# Altium PCB DRS4-PCB.PcbDoc (part 7 of 15)
Units mil, origin at the board's own origin, x right, y up, seen from the top; angles counter-clockwise.
Board outline 12350 x 7411.06 mil, 12 copper layers (Top Layer, Ground Layer 2, Signal Layer 3, Signal Layer 4, Ground Layer 5, Power Layer 6, Ground Layer 7, Ground Layer 8, Power Layer 9, Power Layer 10, Ground Layer 11, Bottom Layer), stack 61.6 mil thick; 1411 components, 1117 nets, 4255 pads, 2550 vias.
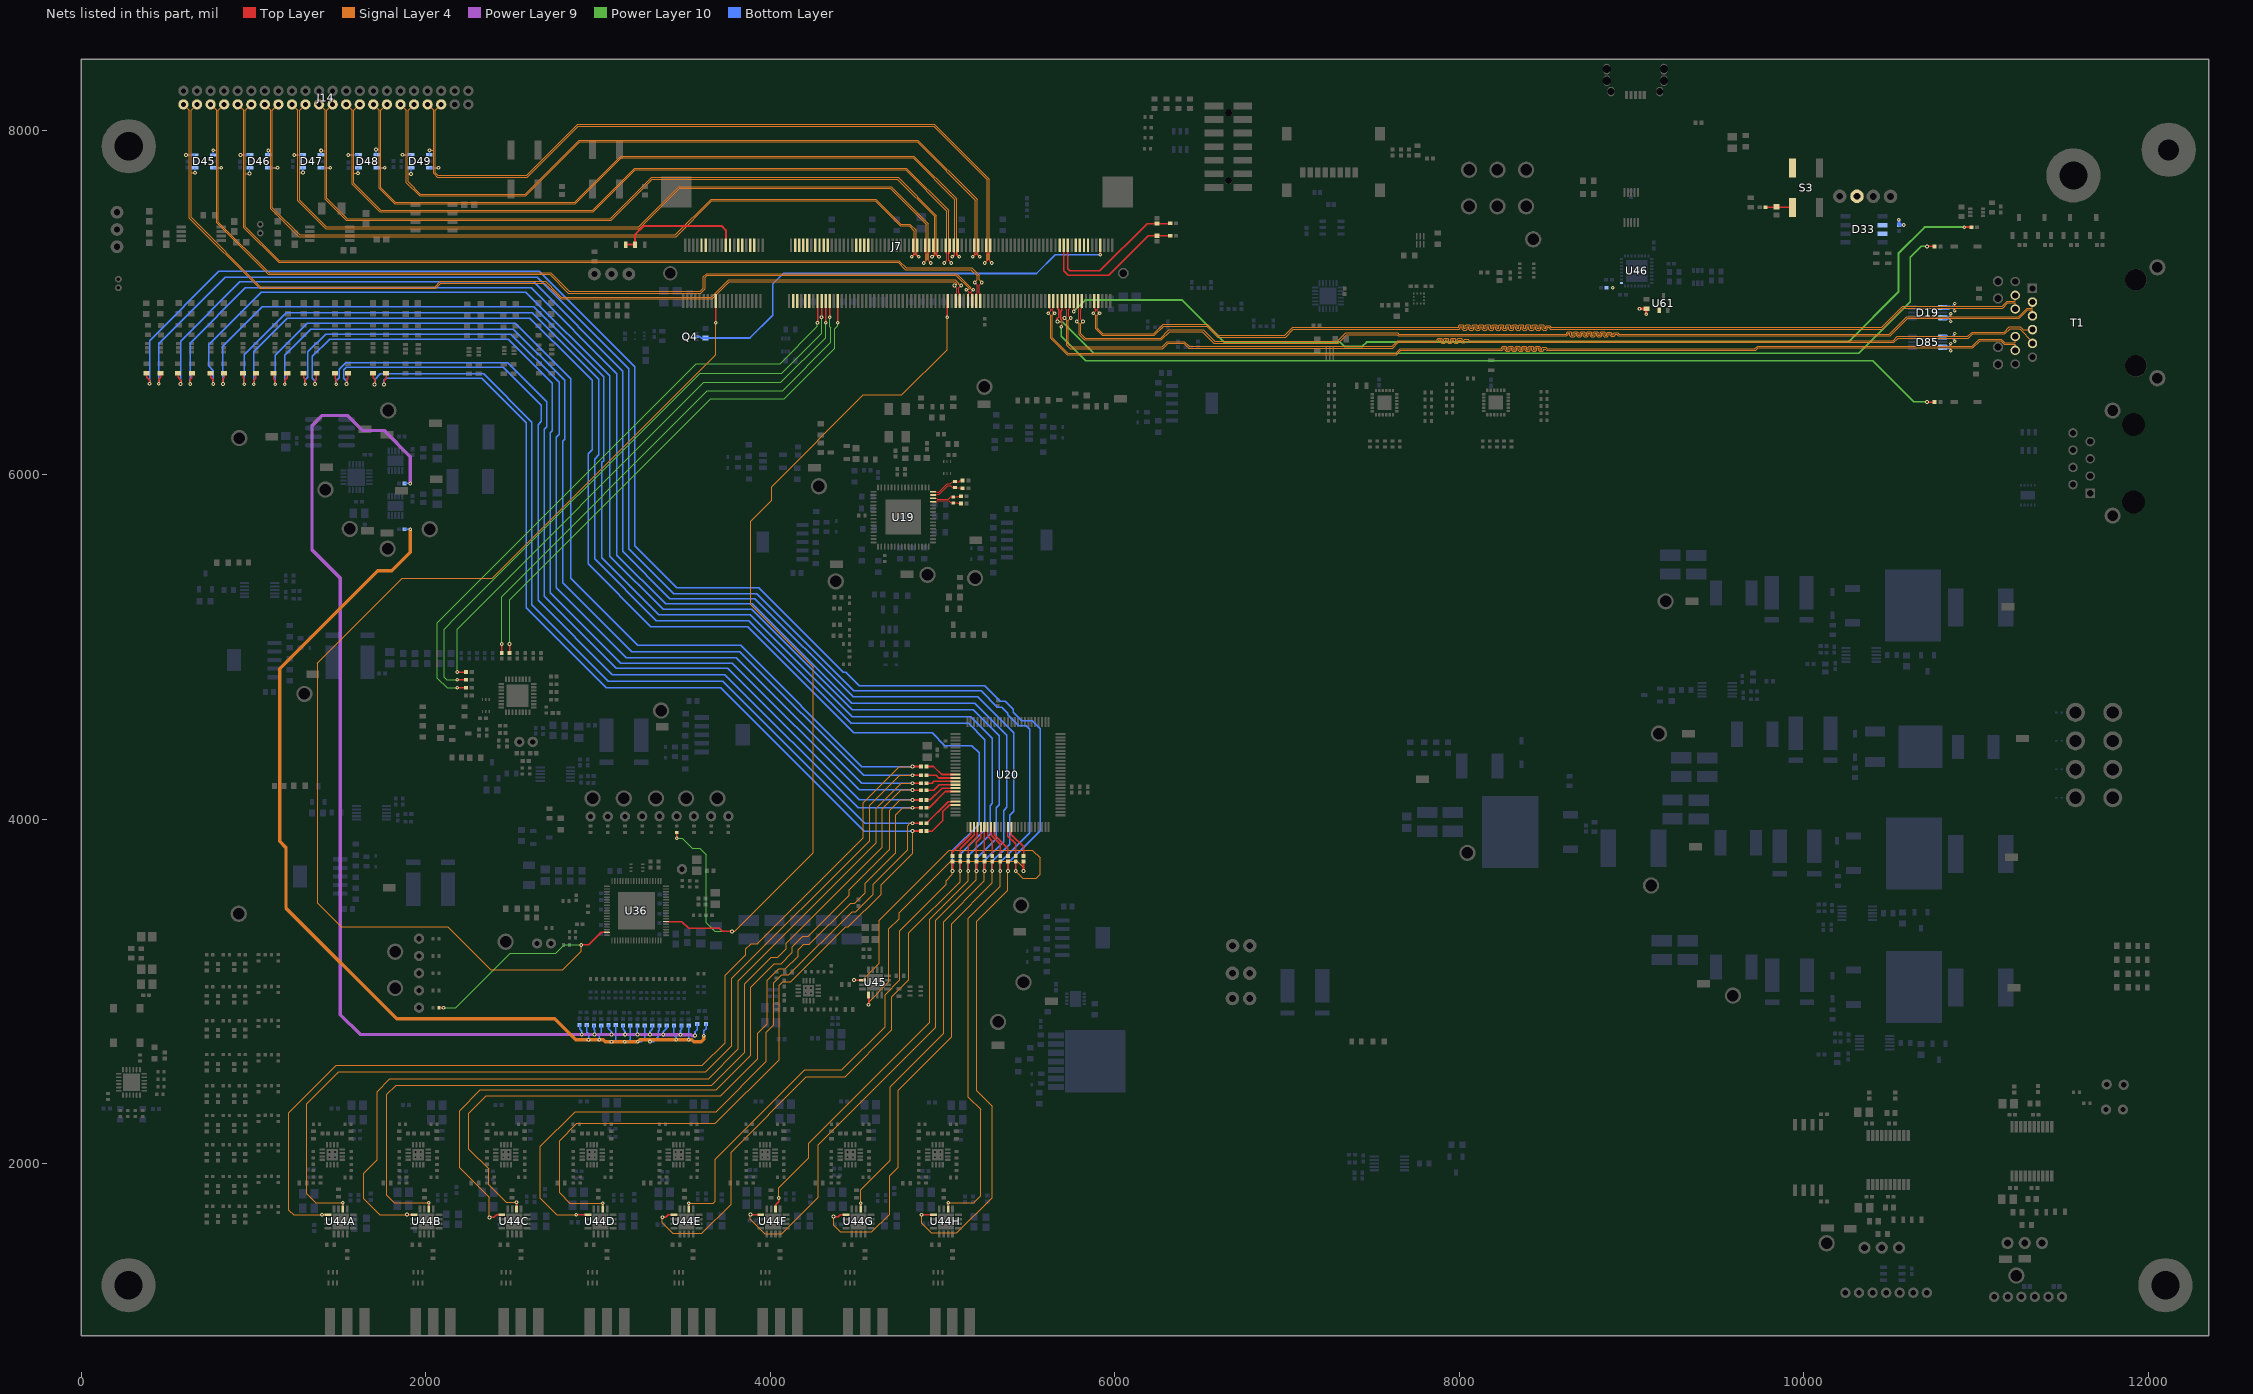
[diagram p17: the nets of this part, all layers, seen from the top]

## Via types
v1: diameter 21.65, hole 10, Top Layer to Bottom Layer, 2413 vias
v2: diameter 20, hole 10, Top Layer to Bottom Layer, 123 vias
v3: diameter 19, hole 8, Top Layer to Bottom Layer, 12 vias
v4: diameter 27.56, hole 10, Top Layer to Bottom Layer, 1 vias
v5: diameter 21.65, hole 10, Top Layer to Bottom Layer, tented top, 1 vias

## Nets (pads, with @x,y where several pads share a name; then routed paths per layer and width w, separated by ;. In a path a pad name is that pad's centre, name@x,y a point inside that pad or via, vN(x,y) a via of type N, cw(c..) or ccw(c..) an arc to the next point about the centre after c; other vN are vias at no path point) (continued)
DRS4_WSRIN: J7.17 R59.1 U36.75 | length 7694.2
  Top Layer w7.87: v1(2901.96,3269.75) 2945.33,3269.75 3018.38,3342.81 U36.75@3050.28,3342.81 ; v1@3682.82,6877.76 3682.82,6966.1 J7.17@3682.81,7008.12
  Top Layer w10: R59.1@2075.85,2906.08 v1(2102.84,2906.08)
  Signal Layer 4 w6.12: v1(2901.96,3269.75) 2901.96,3233.69 2793.24,3124.97 2377.02,3124.97 2126.74,3375.26 1507.75,3375.26 1369.07,3513.94 1369.07,4906.34 1862.27,5399.54 2386.33,5399.54 3683.07,6696.28 v1(3683.07,6881.89)
  Power Layer 10 w6.88: v1(2102.84,2906.08) 2174.13,2906.08 2488.9,3220.85 2755.32,3220.85 2804.23,3269.75 v1(2901.96,3269.75)
DRS4_WSROUT: J7.119 R60.1 U36.25 | length 5830.7
  Top Layer w7.87: U36.25@3394.77,3405.8 3486.79,3405.8 3526.75,3365.83 3704.03,3365.83 3721.66,3348.2 v1(3776.99,3348.2) ; v1@5027.39,6910.96 v1(5027.39,6913.39) 5027.39,7006.31 J7.119@5029.16,7008.12
  Top Layer w10: v1(3455.91,3889.33) R60.1@3455.91,3923.82
  Signal Layer 4 w6.12: v1(3776.99,3348.2) 3792.98,3348.2 4248.66,3803.87 4248.66,4882.86 3885.59,5245.93 3885.59,5730.12 4006.77,5851.29 4006.77,5930.52 4539.23,6462.99 4763.63,6462.99 5027.39,6726.74 v1(5027.39,6913.39)
  Power Layer 10 w6.88: v1@3465.98,3889.33 3488.95,3889.33 3545.79,3832.49 3589.54,3832.49 3627.24,3794.79 3627.24,3398.08 3677.12,3348.2 v1(3776.99,3348.2)
ETH_A_N: D85.5 J7.169 T1.11 | length 6225.8
  Top Layer w5: v1(5613.75,6937.67) 5626.88,6950.79 5626.88,6959.36 5620.14,6966.1 5619.67,6966.1 J7.169@5619.66,7008.12
  Signal Layer 4 w3.66: v1(5613.75,6937.67) 5626.99,6924.42 5626.99,6791.96 5722.71,6696.24 7635.04,6696.24 7660.04,6721.24 8238.83,6721.24 8247.56,6721.24 8255.43,6729.1 8255.43,6736.24 8265.09,6736.24 8265.09,6721.72 8270.8,6716 8288.55,6716 8294.27,6721.72 8294.27,6736.24 8303.93,6736.24 8303.93,6721.72 8309.65,6716 8327.39,6716 8333.11,6721.72 8333.11,6736.24 8342.77,6736.24 8342.77,6721.72 8348.49,6716 8366.24,6716 8371.95,6721.72 8371.95,6736.24 8381.62,6736.24 8381.62,6721.72 8387.33,6716 8405.08,6716 8410.8,6721.72 8410.8,6736.24 8420.46,6736.24 8420.46,6721.72 8426.18,6716 8443.92,6716 8449.64,6721.72 8449.64,6736.24 8459.3,6736.24 8459.3,6722.72 8465.02,6717 8482.77,6717 8488.48,6722.72 8488.48,6729.1 8498.15,6729.1 8506.01,6721.24 8520.39,6721.24 9720.07,6721.24 9735.01,6736.18 10850.22,6736.18 10852.36,6734.03 ; v3(10852.36,6720) 10852.36,6734.03 ; T1.11@11226.83,6722.35 11226.83,6755.29 11224.68,6757.43 11161.99,6757.43 11141.92,6777.5 11022.69,6777.5 10981.36,6736.18 10854.51,6736.18 10852.36,6734.03
  Bottom Layer w6.73: D85.5@10805.79,6730.33 10827.83,6730.33 10831.81,6734.3 10843.35,6734.3 10847.3,6730.36 10847.3,6728.39 10852.36,6723.32 v3(10852.36,6720)
ETH_A_P: D85.4 J7.171 T1.10 | length 6210.3
  Top Layer w5: J7.171@5643.28,7008.12 5643.29,6966.1 5636.88,6959.68 5636.88,6950.79 v1(5650,6937.67)
  Signal Layer 4 w3.66: v1(5650,6937.67) 5636.76,6924.42 5636.76,6796 5726.76,6706 7631,6706 7656,6731 8238.83,6731 8243.52,6731 8245.66,6733.14 8245.66,6740.28 8251.38,6746 8269.13,6746 8274.85,6740.28 8274.85,6725.76 8284.51,6725.76 8284.51,6740.28 8290.23,6746 8307.97,6746 8313.69,6740.28 8313.69,6725.76 8323.35,6725.76 8323.35,6740.28 8329.07,6746 8346.82,6746 8352.53,6740.28 8352.53,6725.76 8362.19,6725.76 8362.19,6740.28 8367.91,6746 8385.66,6746 8391.38,6740.28 8391.38,6725.76 8401.04,6725.76 8401.04,6740.28 8406.75,6746 8424.5,6746 8430.22,6740.28 8430.22,6725.76 8439.88,6725.76 8439.88,6740.28 8445.6,6746 8463.35,6746 8469.06,6740.28 8469.06,6726.76 8478.72,6726.76 8478.72,6733.15 8484.44,6738.86 8502.19,6738.86 8507.91,6733.15 8510.05,6731 8520.39,6731 9716.03,6731 9730.97,6745.94 10850.22,6745.94 10852.36,6748.08 ; v3(10852.36,6762.11) 10852.36,6748.08 ; T1.10@11226.83,6802.27 11226.83,6769.34 11224.68,6767.19 11166.04,6767.19 11145.97,6787.26 11018.64,6787.26 10977.32,6745.94 10854.51,6745.94 10852.36,6748.08
  Bottom Layer w6.73: D85.4@10805.79,6750.01 10827.83,6750.01 10831.81,6746.04 10842.46,6746.04 10847.3,6750.87 10847.3,6753.73 10852.36,6758.8 v3(10852.36,6762.11)
ETH_B_N: D85.2 J7.177 T1.5 | length 6226.2
  Top Layer w5: v1(5707.5,6909.45) 5719.53,6921.48 5719.53,6959.29 5714.15,6964.67 J7.177@5714.15,7008.1
  Signal Layer 4 w3.66: v1(5707.5,6909.45) 5720.74,6896.2 5720.74,6752.5 5741.14,6732.1 6277.91,6732.1 6308.8,6763 6400,6763 6428,6735 7612.85,6735 7645.85,6768 7864.28,6768 7873.01,6768 7880.87,6775.86 7880.87,6783 7890.53,6783 7890.53,6768.48 7896.25,6762.76 7914,6762.76 7919.72,6768.48 7919.72,6783 7929.38,6783 7929.38,6768.48 7935.09,6762.76 7952.84,6762.76 7958.56,6768.48 7958.56,6783 7968.22,6783 7968.22,6768.48 7973.94,6762.76 7991.68,6762.76 7997.4,6768.48 7997.4,6781.05 8007.06,6781.05 8007.06,6770.86 8012.78,6765.14 8030.53,6765.14 8036.24,6770.86 8036.24,6775.86 8045.91,6775.86 8053.77,6768 8068.13,6768 10522.4,6768 10547.02,6792.62 10873.84,6792.62 10875.98,6790.48 ; v3(10875.98,6775) 10875.98,6790.48 ; T1.5@11326.83,6762.11 11326.83,6773.17 11252,6848 11197,6848 11166.1,6817.1 10979.9,6817.1 10955.42,6792.62 10878.13,6792.62 10875.98,6790.48
  Bottom Layer w6.73: D85.2@10805.79,6789.38 10827.83,6789.38 10831.81,6793.36 10847.96,6793.36 10849.68,6791.63 10860.12,6791.63 10875.98,6775.77 v3(10875.98,6775)
ETH_B_P: D85.1 J7.179 T1.4 | length 6174.3
  Top Layer w5: J7.179@5737.76,7008.12 5737.77,6964.67 5732.4,6959.29 5732.4,6920.8 v1(5743.75,6909.45)
  Signal Layer 4 w3.66: v1(5743.75,6909.45) 5730.51,6896.2 5730.51,6756.54 5745.18,6741.86 6273.86,6741.86 6304.76,6772.76 6404.04,6772.76 6432.04,6744.76 7608.8,6744.76 7641.8,6777.76 7864.28,6777.76 7868.97,6777.76 7871.11,6779.91 7871.11,6787.04 7876.83,6792.76 7894.58,6792.76 7900.29,6787.04 7900.29,6772.52 7909.95,6772.52 7909.95,6787.04 7915.67,6792.76 7933.42,6792.76 7939.14,6787.04 7939.14,6772.52 7948.8,6772.52 7948.8,6787.04 7954.52,6792.76 7972.26,6792.76 7977.98,6787.04 7977.98,6772.52 7987.64,6772.52 7987.64,6785.1 7993.36,6790.81 8011.11,6790.81 8016.82,6785.1 8016.82,6774.9 8026.48,6774.9 8026.48,6779.91 8032.2,6785.62 8049.95,6785.62 8055.67,6779.91 8057.81,6777.76 8068.13,6777.76 10518.35,6777.76 10542.97,6802.38 10873.84,6802.38 10875.98,6804.52 ; v3(10875.98,6820) 10875.98,6804.52 ; T1.4@11326.83,6842.04 11326.69,6841.9 11271.9,6841.9 11256.04,6857.76 11192.96,6857.76 11162.06,6826.86 10975.86,6826.86 10951.38,6802.38 10878.13,6802.38 10875.98,6804.52
  Bottom Layer w6.73: D85.1@10805.79,6809.07 10827.83,6809.07 10831.81,6805.09 10852.82,6805.09 10854.54,6803.37 10860.12,6803.37 10875.98,6819.23 v3(10875.98,6820)
ETH_C_N: D19.5 J7.183 T1.3 | length 6228.6
  Top Layer w5: v1(5778.75,6889.76) 5790.8,6901.81 5790.8,6960.32 5785.01,6966.1 J7.183@5785,7008.12
  Signal Layer 4 w3.66: v1(5778.75,6889.76) 5791.99,6876.52 5791.99,6813.53 5823.33,6782.2 6269,6782.2 6317.8,6831 6508,6831 6574.9,6764.1 7295.9,6764.1 7344.9,6813.1 7637.85,6813.1 7644.8,6806.14 8615.76,6806.14 8624.49,6806.14 8632.35,6814 8632.35,6821.14 8642.01,6821.14 8642.01,6806.62 8647.73,6800.9 8665.48,6800.9 8671.19,6806.62 8671.19,6821.14 8680.85,6821.14 8680.85,6806.62 8686.57,6800.9 8704.32,6800.9 8710.04,6806.62 8710.04,6821.14 8719.7,6821.14 8719.7,6806.62 8725.42,6800.9 8743.16,6800.9 8748.88,6806.62 8748.88,6821.14 8758.54,6821.14 8758.54,6806.62 8764.26,6800.9 8782.01,6800.9 8787.72,6806.62 8787.72,6821.14 8797.38,6821.14 8797.38,6806.62 8803.1,6800.9 8820.85,6800.9 8826.57,6806.62 8826.57,6821.14 8836.23,6821.14 8836.23,6806.62 8841.94,6800.9 8859.69,6800.9 8865.41,6806.62 8865.41,6817.03 8875.07,6817.03 8875.07,6809 8880.79,6803.28 8898.54,6803.28 8904.25,6809 8904.25,6814 8913.91,6814 8921.78,6806.14 8942.29,6806.14 10500.44,6806.14 10601.92,6907.62 10850.22,6907.62 10852.36,6905.48 ; v3(10852.36,6890) 10852.36,6905.48 ; T1.3@11326.83,6921.96 11326.83,6954.89 11324.68,6957.04 11300.84,6957.04 11251.42,6907.62 10854.51,6907.62 10852.36,6905.48
  Bottom Layer w6.73: D19.5@10805.79,6901.77 10827.83,6901.77 10831.81,6905.75 10843.35,6905.75 10847.29,6901.8 10847.29,6898.39 10852.36,6893.32 v3(10852.36,6890)
ETH_C_P: D19.4 J7.185 T1.2 | length 6214.6
  Top Layer w5: J7.185@5808.62,7008.12 5808.63,6966.1 5801.82,6959.29 5801.82,6902.94 v1(5815,6889.76)
  Signal Layer 4 w3.66: v1(5815,6889.76) 5801.76,6876.52 5801.76,6817.57 5827.37,6791.96 6264.96,6791.96 6313.76,6840.76 6512.04,6840.76 6578.94,6773.86 7291.86,6773.86 7340.86,6822.86 7641.89,6822.86 7648.85,6815.9 8615.76,6815.9 8620.45,6815.9 8622.59,6818.05 8622.59,6825.18 8628.31,6830.9 8646.05,6830.9 8651.77,6825.18 8651.77,6810.66 8661.43,6810.66 8661.43,6825.18 8667.15,6830.9 8684.9,6830.9 8690.62,6825.18 8690.62,6810.66 8700.28,6810.66 8700.28,6825.18 8705.99,6830.9 8723.74,6830.9 8729.46,6825.18 8729.46,6810.66 8739.12,6810.66 8739.12,6825.18 8744.84,6830.9 8762.58,6830.9 8768.3,6825.18 8768.3,6810.66 8777.96,6810.66 8777.96,6825.18 8783.68,6830.9 8801.43,6830.9 8807.14,6825.18 8807.14,6810.66 8816.81,6810.66 8816.81,6825.18 8822.52,6830.9 8840.27,6830.9 8845.99,6825.18 8845.99,6810.66 8855.65,6810.66 8855.65,6821.08 8861.37,6826.79 8879.11,6826.79 8884.83,6821.08 8884.83,6813.04 8894.49,6813.04 8894.49,6818.05 8900.21,6823.77 8917.96,6823.77 8923.67,6818.05 8925.82,6815.9 8942.29,6815.9 10496.4,6815.9 10597.88,6917.38 10850.22,6917.38 10852.36,6919.52 ; v3(10852.36,6935) 10852.36,6919.52 ; T1.2@11326.83,7001.88 11326.83,6968.94 11324.68,6966.8 11296.8,6966.8 11247.38,6917.38 10854.51,6917.38 10852.36,6919.52
  Bottom Layer w6.73: D19.4@10805.79,6921.46 10827.83,6921.46 10831.81,6917.48 10842.46,6917.48 10850.01,6925.03 10850.01,6932.65 v3(10852.36,6935)
ETH_CTREF: J7.181 R75.2 | length 5827.2
  Top Layer w7.87: v1(5761.38,6947.87) J7.181@5761.38,7008.12
  Top Layer w11.81: v1(10930.43,7437.24) R75.2@10971.77,7437.24
  Power Layer 10 w11.81: v1(5761.38,6947.87) 5827.08,7013.57 6390.36,7013.57 6634.5,6769.44 7307.48,6769.44 7331.83,6745.09 7436.91,6745.09 7461.26,6769.44 10257.07,6769.44 10548.97,7061.34 10548.97,7285.76 10700.46,7437.24 v1(10930.43,7437.24)
ETH_D_N: D19.2 J7.191 T1.9 | length 6239.2
  Top Layer w5: v1(5875,6937.55) 5888.12,6950.67 5888.12,6957.47 5879.49,6966.1 J7.191@5879.48,7008.12
  Signal Layer 4 w3.66: v1(5875,6937.55) 5888.24,6924.3 5888.24,6846.95 5926.76,6808.44 6229.56,6808.44 6283.36,6862.24 6533.3,6862.24 6596.86,6798.68 6990.48,6798.68 7036.8,6845 7989.18,6845 7997.91,6845 8005.77,6852.86 8005.77,6860 8015.43,6860 8015.43,6845.48 8021.15,6839.76 8038.9,6839.76 8044.61,6845.48 8044.61,6860 8054.27,6860 8054.27,6845.48 8059.99,6839.76 8077.74,6839.76 8083.46,6845.48 8083.46,6860 8093.12,6860 8093.12,6845.48 8098.84,6839.76 8116.58,6839.76 8122.3,6845.48 8122.3,6860 8131.96,6860 8131.96,6845.48 8137.68,6839.76 8155.43,6839.76 8161.14,6845.48 8161.14,6860 8170.8,6860 8170.8,6845.48 8176.52,6839.76 8194.27,6839.76 8199.99,6845.48 8199.99,6860 8209.65,6860 8209.65,6845.48 8215.37,6839.76 8233.11,6839.76 8238.83,6845.48 8238.83,6860 8248.49,6860 8248.49,6845.48 8254.21,6839.76 8271.96,6839.76 8277.67,6845.48 8277.67,6860 8287.33,6860 8287.33,6845.48 8293.05,6839.76 8310.8,6839.76 8316.52,6845.48 8316.52,6860 8326.18,6860 8326.18,6845.48 8331.9,6839.76 8349.64,6839.76 8355.36,6845.48 8355.36,6860 8365.02,6860 8365.02,6845.48 8370.74,6839.76 8388.49,6839.76 8394.2,6845.48 8394.2,6860 8403.86,6860 8403.86,6845.48 8409.58,6839.76 8427.33,6839.76 8433.05,6845.48 8433.05,6860 8442.71,6860 8442.71,6845.48 8448.42,6839.76 8466.17,6839.76 8471.89,6845.48 8471.89,6860 8481.55,6860 8481.55,6845.48 8487.27,6839.76 8505.01,6839.76 8510.73,6845.48 8510.73,6854.64 8520.39,6854.64 8520.39,6852.86 8528.26,6845 8548,6845 10455.22,6845 10577.72,6967.5 10873.84,6967.5 10875.98,6965.36 ; v3(10875.98,6950.83) 10875.98,6965.36 ; T1.9@11226.83,6961.72 11226.83,6994.66 11224.68,6996.8 11184.66,6996.8 11155.36,6967.5 10878.13,6967.5 10875.98,6965.36
  Bottom Layer w6.73: D19.2@10805.79,6960.83 10843.31,6960.83 10849,6966.52 10860.3,6966.52 v3(10875.98,6950.83)
ETH_D_P: D19.1 J7.193 T1.8 | length 6220.1
  Top Layer w5: J7.193@5903.1,7008.12 5903.11,6966.1 5898.12,6961.11 5898.12,6950.67 v1(5911.25,6937.55)
  Signal Layer 4 w3.66: v1(5911.25,6937.55) 5898.01,6924.3 5898.01,6850.99 5930.8,6818.2 6225.51,6818.2 6279.32,6872 6537.34,6872 6600.91,6808.44 6986.44,6808.44 7032.76,6854.76 7989.18,6854.76 7993.87,6854.76 7996.01,6856.91 7996.01,6864.04 8001.73,6869.76 8019.47,6869.76 8025.19,6864.04 8025.19,6849.52 8034.85,6849.52 8034.85,6864.04 8040.57,6869.76 8058.32,6869.76 8064.04,6864.04 8064.04,6849.52 8073.7,6849.52 8073.7,6864.04 8079.41,6869.76 8097.16,6869.76 8102.88,6864.04 8102.88,6849.52 8112.54,6849.52 8112.54,6864.04 8118.26,6869.76 8136,6869.76 8141.72,6864.04 8141.72,6849.52 8151.38,6849.52 8151.38,6864.04 8157.1,6869.76 8174.85,6869.76 8180.57,6864.04 8180.57,6849.52 8190.23,6849.52 8190.23,6864.04 8195.94,6869.76 8213.69,6869.76 8219.41,6864.04 8219.41,6849.52 8229.07,6849.52 8229.07,6864.04 8234.79,6869.76 8252.53,6869.76 8258.25,6864.04 8258.25,6849.52 8267.91,6849.52 8267.91,6864.04 8273.63,6869.76 8291.38,6869.76 8297.09,6864.04 8297.09,6849.52 8306.76,6849.52 8306.76,6864.04 8312.47,6869.76 8330.22,6869.76 8335.94,6864.04 8335.94,6849.52 8345.6,6849.52 8345.6,6864.04 8351.32,6869.76 8369.06,6869.76 8374.78,6864.04 8374.78,6849.52 8384.44,6849.52 8384.44,6864.04 8390.16,6869.76 8407.91,6869.76 8413.62,6864.04 8413.62,6849.52 8423.29,6849.52 8423.29,6864.04 8429,6869.76 8446.75,6869.76 8452.47,6864.04 8452.47,6849.52 8462.13,6849.52 8462.13,6864.04 8467.85,6869.76 8485.59,6869.76 8491.31,6864.04 8491.31,6849.52 8500.97,6849.52 8500.97,6858.68 8506.69,6864.4 8524.44,6864.4 8530.15,6858.68 8530.15,6856.91 8532.3,6854.76 8548,6854.76 10451.18,6854.76 10573.68,6977.26 10873.84,6977.26 10875.98,6979.41 ; v3(10875.98,6993.93) 10875.98,6979.41 ; T1.8@11226.83,7041.64 11226.83,7008.71 11224.68,7006.56 11180.62,7006.56 11151.32,6977.26 10878.13,6977.26 10875.98,6979.41
  Bottom Layer w6.73: D19.1@10805.79,6980.51 10846.74,6980.51 10849,6978.25 10860.3,6978.25 v3(10875.98,6993.93)
ETH_LED1#: J7.173 R76.2 | length 5700.5
  Top Layer w7.87: v1(5666.75,6889.17) 5666.73,6909.31 5672.76,6915.34 5672.76,6956.65 5666.91,6962.49 J7.173@5666.9,7008.12 ; v1@10714.25,7325.06 R76.2@10760.43,7325.06
  Power Layer 10 w7.87: v1(5666.75,6889.17) 5694.35,6889.17 5724.31,6859.21 5877.51,6706.01 6510.01,6706.01 10319.53,6706.01 10618.33,7004.81 10618.33,7262.13 10681.03,7324.83 v1(10714.25,7324.92)
ETH_LED2#: J7.175 R77.2 | length 5438.2
  Top Layer w7.87: v1(5688.28,6859.58) 5686.32,6861.54 5690.26,6865.49 5690.26,6897.2 5686.32,6901.15 5686.32,6950.08 5690.53,6954.3 J7.175@5690.52,7008.12 ; v1@10714.25,6421.53 R77.2@10758.66,6421.53
  Power Layer 10 w7.87: v1(5688.28,6859.58) 5688.28,6804.23 5831.98,6660.53 10400.1,6660.53 10638.04,6422.59 v1(10714.25,6422.59)
FLASH_CLK: J7.182
FLASH_CS#: J7.188
FLASH_DI: J7.186
FLASH_DO: J7.184
FPGA_DONE: J7.194 Q4.2 R34.2 | length 2706.1
  Top Layer w10: v1(5914.96,7277.15) 5914.93,7277.19 J7.194@5914.91,7331.12
  Bottom Layer w10: Q4.2@3573.23,6801.93 3590.54,6801.93 3599.22,6793.25 R34.2@3622.79,6793.25 3881.15,6793.25 4013,6925.09 4013,7106.71 4074.49,7168.2 5544.78,7168.2 5653.72,7277.15 v1(5914.96,7277.15)
FTDI_1V8: C65.2 C249.2 U46.1 U61.1 | length 73.7
  Top Layer w15.75: v1@9043.11,6963.25 v1(9045.75,6963.25) 9084.62,6963.25 C65.2@9085.16,6962.72 v1(9085.16,6931.41) ; U61.1@9159.14,6955.11 U61.1@9159.22,6955.19
  other v1: 8890.53,7085.83
FTDI_\R\E\S\E\T\: C253.1 R194.2 S3.1 S3.2 | length 157.4
  Top Layer w8: R194.2@9777.13,7553.18 9931.34,7553.18 S3.2@9933.6,7550.93
FTDI_EXT_1V8: C252.2 D33.2 D33.3 J20.1 | length 58.5
  Bottom Layer w15.75: v1(10550.67,7479.77) 10551.56,7478.87 C252.2@10551.56,7449.23 v1(10579.17,7449.23)
GPIO0_N: D45.4 J7.125 J14.3 | length 5568.7
  Top Layer w5: J7.125@5100.02,7008.12 5100.03,7050.1 5093.23,7056.91 5093.23,7083.93 v1(5107.72,7098.43)
  Signal Layer 4 w3.66: v1(659.82,7752.52) 636.93,7752.52 ; J14.3@671.3,8149.61 636.93,8115.24 636.93,7752.52 ; v1(5107.72,7098.43) 5104.34,7101.8 5095.54,7101.8 5093.07,7104.27 5093.07,7111.72 5073.48,7131.32 3758.32,7131.32 3657,7030 2787.14,7030 2760.07,7057.07 2695.14,7122 2083,7122 2053,7092 1038.93,7092 636.93,7494 636.93,7752.52
  Bottom Layer w6.73: D45.4@659.51,7781.46 659.82,7781.15 v1(659.82,7752.52)
GPIO0_P: D45.6 J7.123 J14.1 | length 5587.8
  Top Layer w5: v1(5068.43,7098.43) 5083.23,7083.63 5083.23,7056.91 5076.42,7050.1 J7.123@5076.4,7008.12
  Signal Layer 4 w3.66: J14.1@592.56,8149.61 626.93,8115.24 626.93,7856.54 ; v1(607.83,7856.26) 608.11,7856.54 626.93,7856.54 ; v1(5068.43,7098.43) 5071.81,7101.8 5080.61,7101.8 5083.07,7104.27 5083.07,7107.58 5069.34,7121.32 3762.46,7121.32 3661.14,7020 2783,7020 2756.54,7046.46 2691,7112 2087.14,7112 2057.14,7082 1034.78,7082 626.93,7489.86 626.93,7856.54
  Bottom Layer w6.73: v1(607.83,7856.26) D45.6@659.51,7856.26
GPIO1_N: D45.3 J7.131 J14.7 | length 5511
  Top Layer w5: J7.131@5170.88,7008.12 5170.89,7050.1 5164.09,7056.91 5164.09,7060.26 5177.65,7073.82 v1(5178.15,7073.82)
  Signal Layer 4 w3.66: v1(811.9,7781.46) 811.82,7781.38 794.29,7781.38 ; J14.7@828.78,8149.61 794.29,8115.12 794.29,7813.18 794.29,7781.38 ; v1(5178.15,7073.82) 5175.55,7076.42 5165,7076.42 5162.85,7078.57 5162.85,7085.64 5080.48,7168.01 3629.97,7168.01 3611,7149.04 3611,7083 3592,7064 2831.8,7064 2723.8,7172 1089.29,7172 794.29,7467 794.29,7781.38
  Bottom Layer w6.73: D45.3@765.81,7781.46 v1(811.9,7781.46)
GPIO1_P: D45.1 J7.129 J14.5 | length 5496
  Top Layer w5: v1(5137.8,7073.82) 5140.53,7073.82 5154.09,7060.26 5154.09,7056.91 5147.28,7050.1 J7.129@5147.26,7008.12
  Signal Layer 4 w3.66: J14.5@750.04,8149.61 784.53,8115.12 784.53,7883.74 ; v1(765.6,7883.74) 784.53,7883.74 ; v1(5137.8,7073.82) 5140.4,7076.42 5150.95,7076.42 5153.09,7078.57 5153.09,7081.6 5076.44,7158.25 3634.01,7158.25 3620.76,7145 3620.76,7078.96 3596.04,7054.24 2827.76,7054.24 2719.76,7162.24 1085.24,7162.24 784.53,7462.96 784.53,7809.14 784.53,7883.74
  Bottom Layer w6.73: v1(765.6,7883.74) 765.6,7856.47 D45.1@765.81,7856.26
GPIO2_N: D46.4 J7.135 J14.11 | length 5319.3
  Top Layer w5: J7.135@5218.12,7008.12 5218.15,7050.1 5211.34,7056.91 5211.34,7101.1 v1(5226.38,7116.14)
  Signal Layer 4 w3.66: 952.02,7748.17 v1@970.84,7748.17 ; J14.11@986.26,8149.61 951.89,8115.24 951.89,7920.65 951.89,7438.83 1148.67,7242.05 4746.3,7242.05 4787.46,7200.88 5168.57,7200.88 5171.5,7197.95 5211.2,7158.25 5211.2,7131.32 v1(5226.38,7116.14)
  Bottom Layer w6.73: v1(976.15,7748.03) 976.15,7779.56 D46.4@978.21,7781.61
GPIO2_P: D46.6 J7.133 J14.9 | length 5339.9
  Top Layer w5: v1(5186.02,7116.14) 5201.34,7100.83 5201.34,7056.91 5194.53,7050.1 J7.133@5194.5,7008.12
  Signal Layer 4 w3.66: J14.9@907.52,8149.61 941.89,8115.24 941.89,7916.5 941.89,7434.69 1144.53,7232.05 4742.16,7232.05 4780.39,7193.81 4783.32,7190.88 5164.43,7190.88 5201.2,7154.11 5201.2,7131.32 v1(5186.02,7116.14) ; v1@922.93,7856.12 941.75,7856.12
  Bottom Layer w6.73: v1(923.27,7856.54) v1(923.27,7856.54) 978.14,7856.47 D46.6@978.21,7856.41
GPIO3_N: D46.3 J7.104 J14.15 | length 4894.8
  Top Layer w5: J7.104@4852.01,7331.12 4852.03,7289.1 4845.22,7282.29 4845.22,7277.39 4856.85,7265.75 v1(4860.54,7265.75)
  Signal Layer 4 w3.66: 1109.5,7781.75 v1@1138.01,7781.75 ; J14.15@1143.74,8149.61 1109.37,8115.24 1109.37,7933.89 1109.37,7717.95 1109.37,7713.81 1109.37,7708.18 1109.37,7549.25 1266.73,7391.88 3448.79,7391.88 3656.76,7599.86 4611.7,7599.86 4757.48,7454.08 4809.79,7454.08 4845.36,7418.51 4845.36,7280.93 v1(4860.54,7265.75)
  Bottom Layer w6.73: D46.3@1084.5,7781.61 v1(1138.01,7781.61)
GPIO3_P: D46.1 J7.102 J14.13 | length 4852.7
  Top Layer w5: v1(4820.19,7265.75) 4823.58,7265.75 4835.22,7277.39 4835.22,7282.29 4828.41,7289.1 J7.102@4828.39,7331.12
  Signal Layer 4 w3.66: J14.13@1065,8149.61 1099.37,8115.24 1099.37,7929.75 1099.37,7881.76 ; v1(1084.5,7881.76) 1099.37,7881.76 ; v1(4820.19,7265.75) 4835.36,7280.93 4835.36,7414.37 4805.65,7444.08 4753.34,7444.08 4607.56,7589.86 3660.9,7589.86 3452.93,7381.88 1262.59,7381.88 1102.3,7542.18 1099.37,7545.11 1099.37,7704.04 1099.37,7709.67 1099.37,7713.81 1099.37,7881.76
  Bottom Layer w6.73: D46.1@1084.5,7856.41 v1(1084.5,7881.76)
GPIO4_N: D47.4 J7.110 J14.19 | length 4861.5
  Top Layer w5: J7.110@4922.87,7331.12 4922.89,7289.1 4916.08,7282.29 4916.08,7244.56 v1(4931.11,7229.53)
  Signal Layer 4 w3.66: 1266.98,7753.73 v1@1286.08,7753.73 ; J14.19@1301.22,8149.61 1266.85,8115.24 1266.85,7593.74 1422.53,7438.06 3234.96,7438.06 3469.33,7672.43 4700.82,7672.43 4915.94,7457.31 4915.94,7244.7 v1(4931.11,7229.53)